# KiCad board vme-wren.kicad_pcb (continued)
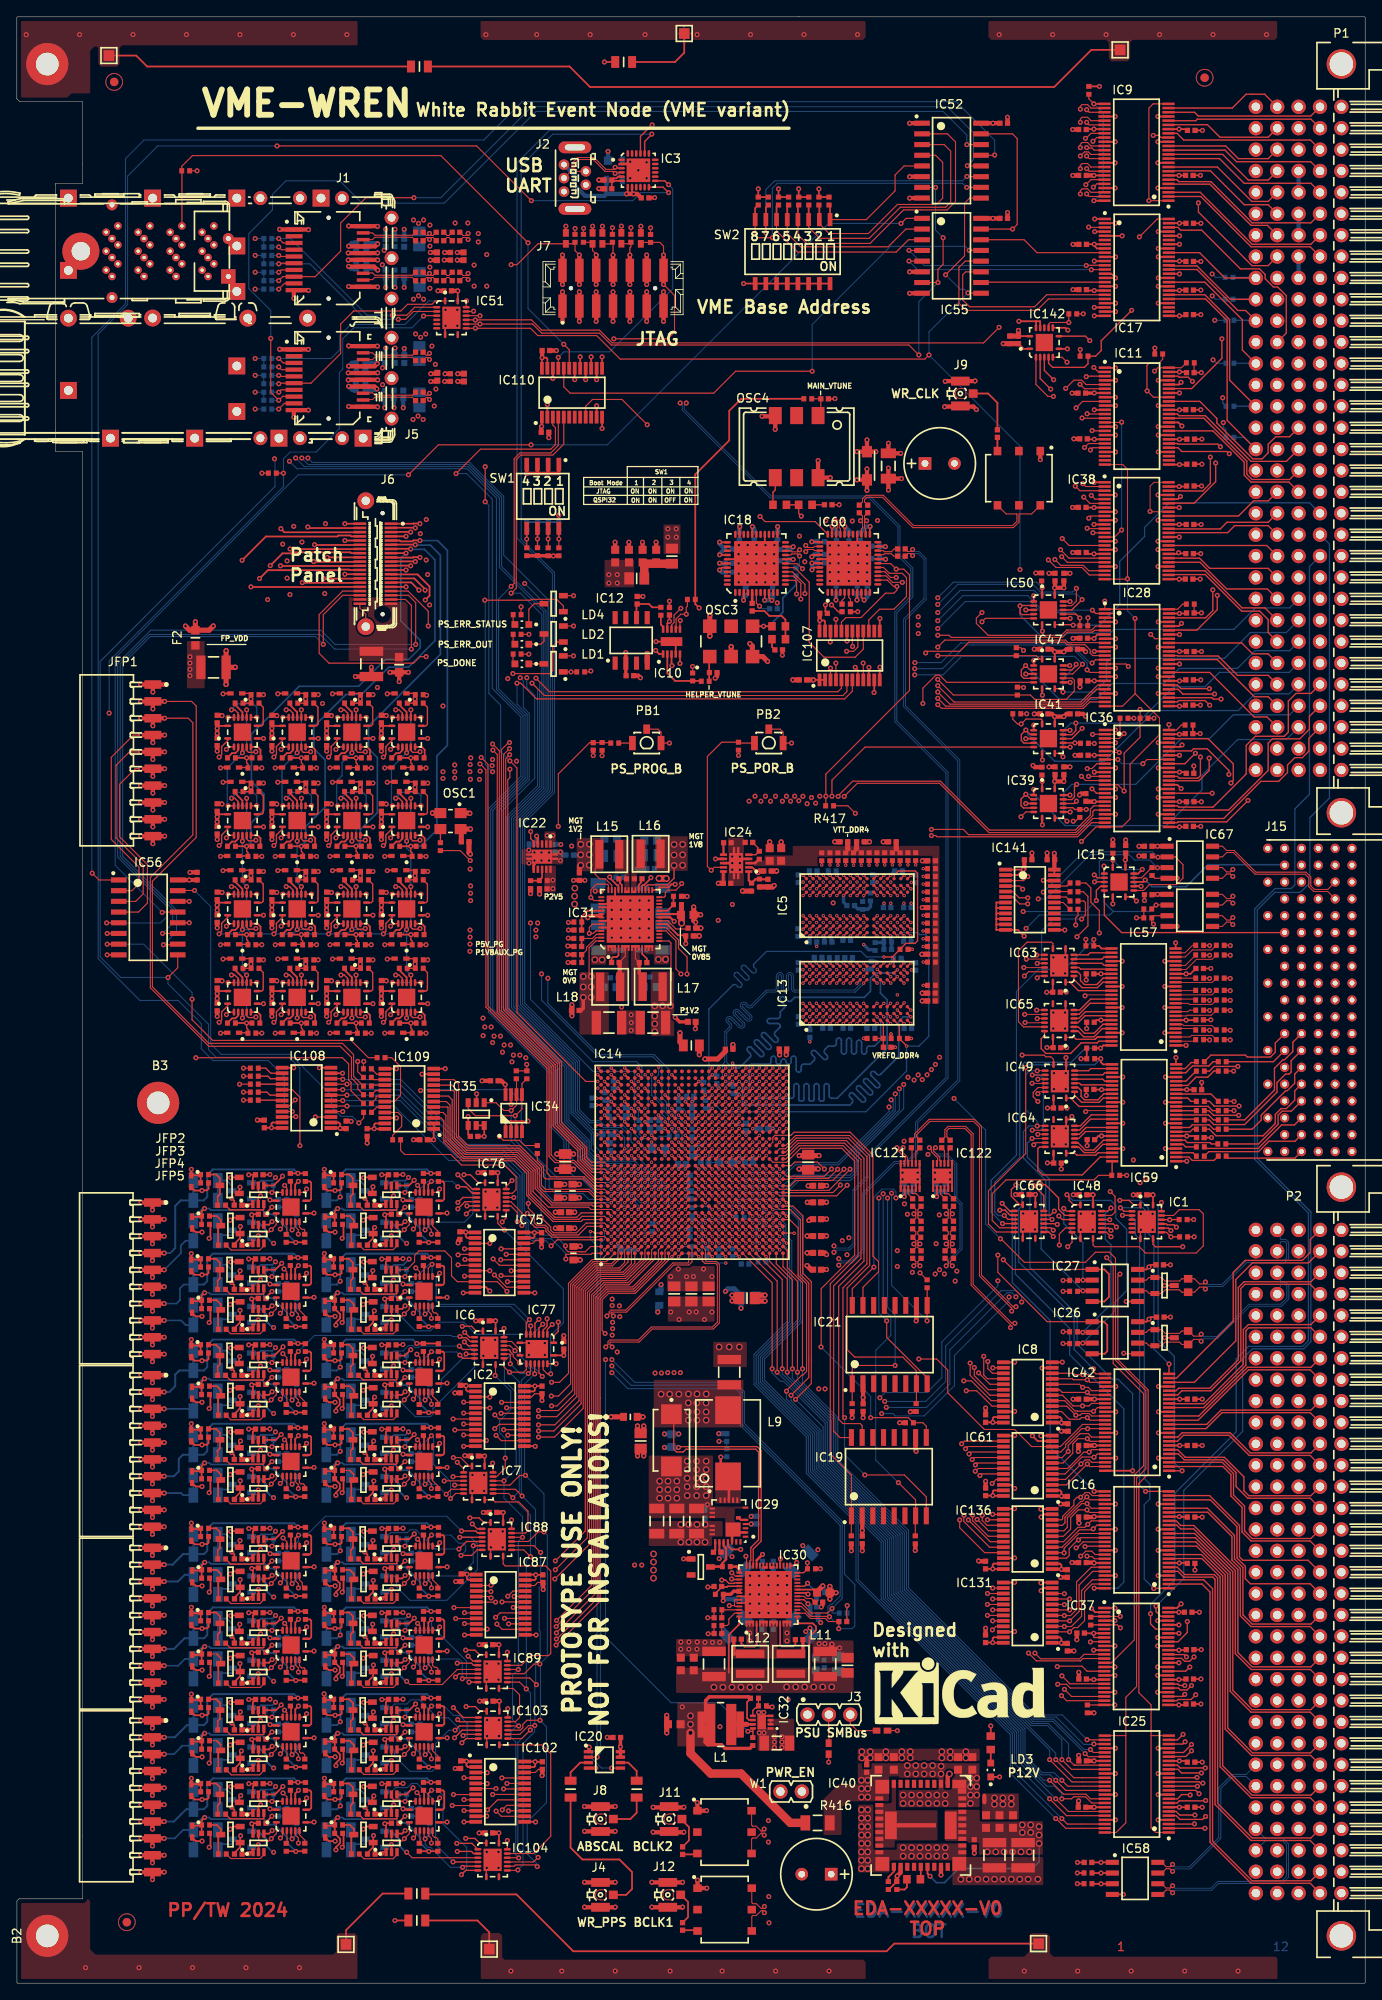
[diagram p0: board, top side]
## Nets (continued)
/WR_CLK.SPI_SCK: IC18.14 IC60.14 IC107.21
/WR_DAC.DIN: IC10.8 IC107.18 R86.1
/WR_DAC.SCLK: IC10.7 IC107.19 R66.1
/WR_DAC.SYNC: IC10.6 IC107.17
/WRFLASH_I2C.SCL: IC14.C9 IC34.6 IC35.1 R226.1
/WRFLASH_I2C.SDA: IC14.D9 IC34.5 IC35.3 R169.1
CHASSIS: B1.1 B2.1 B3.1 R398.1 R400.1 TP2.1 TP5.1
M12V_VME: P1.A31
MGT_0V9: C49.2 C315.1 C316.1 C317.1 C341.2 C344.2 IC14.V4 IC14.Y4 IC31.56 L18.2
MGT_0V85: C19.2 C291.1 IC14.B22 IC14.D22 IC31.23 R214.2
MGT_1V2: C31.2 C160.1 C161.1 C231.1 C340.2 C343.2 IC14.N1 IC14.P4 IC14.T4 IC31.41 L15.2 R222.2
MGT_1V8: C25.2 C30.2 C157.2 C309.1 C310.1 C311.1 C342.2 IC14.A23 IC14.C23 IC14.D25 IC14.E23 IC14.U5 IC14.W5 IC31.22 IC31.31 L16.2
PSADC_AGND: C97.1 C98.1 IC14.P13 IC14.R12 IC14.R13 IC14.T12 IC14.T13 IC14.W20 L2.1
VTT_DDR4-PS: C112.2 C113.2 C127.2 C128.2 C130.2 C131.2 C133.2 C134.2 C146.2 C232.2 IC24.3 R70.2 R71.2 R72.2 R73.2 R74.2 R75.2 R76.2 R77.2 R78.2 R79.2 R80.2 R81.2 R82.2 R83.2 R84.2 R85.2 R91.2 R96.2 R97.2 R105.2 R106.2 R107.2 R108.2 R109.2 R110.2 R134.1
Net-(C15-Pad2): C15.2 C16.2 L13.2 L14.1
Net-(C48-Pad2): C48.2 R190.1
Net-(C59-Pad1): C59.1 R199.2 R200.2
Net-(C99-Pad1): C99.1 R111.2 R112.2
Net-(C120-Pad1): C120.1 IC31.36 IC31.37 L15.1
Net-(C162-Pad2): C162.2 R200.1
Net-(C165-Pad2): C165.2 R202.1
Net-(C247-Pad1): C247.1 J9.1
Net-(C282-Pad1): C282.1 IC30.8 IC30.9 IC30.10 L11.1
Net-(C289-Pad1): C289.1 IC30.5 IC30.6 IC30.7 L12.1
Net-(C298-Pad1): C298.1 IC31.34 IC31.35 L16.1
Net-(C299-Pad1): C299.1 IC31.8 IC31.9 IC31.10 L17.1
Net-(C300-Pad1): C300.1 IC31.5 IC31.6 IC31.7 L18.1
Net-(C353-Pad1): C353.1 R201.2 R202.2
Net-(C478-Pad1): C478.1 J11.1
Net-(C485-Pad1): C485.1 J12.1
Net-(D10-C): D10.3 IC29.21 R253.2
Net-(D11A-COMAC): D11.3 R43.2 R47.1
Net-(D12A-COMAC): D12.3 R137.2 R139.1
Net-(D15A-COMAC): D15.3 R151.2 R153.1
Net-(D16A-COMAC): D16.3 R174.2 R176.1
Net-(D19A-COMAC): D19.3 R270.2 R272.1
Net-(D20A-COMAC): D20.3 R284.2 R286.1
Net-(D23A-COMAC): D23.3 R298.2 R300.1
Net-(D24A-COMAC): D24.3 R312.2 R314.1
Net-(D27A-COMAC): D27.3 R326.2 R328.1
Net-(D28A-COMAC): D28.3 R340.2 R342.1
Net-(D31A-COMAC): D31.3 R354.2 R356.1
Net-(D32A-COMAC): D32.3 R368.2 R370.1
Net-(D35A-COMAC): D35.3 R382.2 R384.1
Net-(D36A-COMAC): D36.3 R413.2 R415.1
Net-(D39A-COMAC): D39.3 R427.2 R429.1
Net-(D40A-COMAC): D40.3 R441.2 R443.1
Net-(D43A-COMAC): D43.3 R42.2 R45.1
Net-(D44A-COMAC): D44.3 R136.2 R138.1
Net-(D47A-COMAC): D47.3 R150.2 R152.1
Net-(D50A-COMAC): D50.3 R173.2 R175.1
Net-(D53A-COMAC): D53.3 R269.2 R271.1
Net-(D54A-COMAC): D54.3 R283.2 R285.1
Net-(D57A-COMAC): D57.3 R297.2 R299.1
Net-(D58A-COMAC): D58.3 R311.2 R313.1
Net-(D61A-COMAC): D61.3 R325.2 R327.1
Net-(D62A-COMAC): D62.3 R339.2 R341.1
Net-(D65A-COMAC): D65.3 R353.2 R355.1
Net-(D66A-COMAC): D66.3 R367.2 R369.1
Net-(D67A-COMAC): D67.3 R381.2 R383.1
Net-(D68A-COMAC): D68.3 R412.2 R414.1
Net-(D71A-COMAC): D71.3 R426.2 R428.1
Net-(D72A-COMAC): D72.3 R440.2 R442.1
Net-(IC1-QH'): IC1.9 IC66.14
Net-(IC1-SER): IC1.14 IC48.9
Net-(IC3-VDD): C52.1 C53.1 IC3.5 IC3.6
Net-(IC6-QH'): IC6.9 IC7.14
Net-(IC10-VOUTA): IC10.1 R58.1 R66.2
Net-(IC10-VOUTB): IC10.2 R57.1 R86.2
Net-(IC10-VREF): IC10.10 R94.2
Net-(IC12-OUT): C78.2 IC12.6 R94.1
Net-(IC14E-IO_T0U_N12_VRP_64): IC14.AD6 R22.2
Net-(IC14F-IO_T0U_N12_VRP_65): IC14.W9 R20.2
Net-(IC14G-IO_T0U_N12_VRP_66): IC14.G4 R21.2
Net-(IC14L-PS_MGTRREF_505): IC14.F22 R11.2
Net-(IC14M-PS_DDR_ZQ): IC14.U24 R1.2
Net-(IC14O-MGTRREF_R): IC14.N2 R222.1
Net-(IC14P-PUDC_B): IC14.U7 R63.1
Net-(IC18-XA): C353.2 IC18.5
Net-(IC18-XB): C66.2 IC18.6
Net-(IC20A-1Y): IC20.6 R38.1
Net-(IC20B-2Y): IC20.3 R39.1
Net-(IC22-FB): IC22.8 R62.1 R64.2
Net-(IC23-1Y): IC23.3 R28.1
Net-(IC23-2Y): IC23.6 R29.1
Net-(IC23-3Y): IC23.8 R32.1
Net-(IC23-4Y): IC23.11 R33.1
Net-(IC24-REFIN): C136.2 IC24.1 R125.1 R127.2
Net-(IC24-REFOUT): C140.2 IC24.6
Net-(IC24-VOSNS): C126.2 IC24.5 R134.2
Net-(IC29-BOOT): C270.2 IC29.20
Net-(IC29-GL-Pad27): IC29.5 IC29.27
Net-(IC29-PHASE): C270.1 IC29.19
Net-(IC29-SW-Pad10): IC29.8 IC29.9 IC29.10 IC29.11 IC29.12 L9.1 R37.1
Net-(IC30-1V8): C276.1 IC30.21
Net-(IC30-ADDR_PROT): C293.2 IC30.55 R208.2
Net-(IC30-BOOT_C): C282.2 IC30.11
Net-(IC30-BOOT_D): C289.2 IC30.4
Net-(IC30-EN_A): IC30.28 IC30.42 IC30.51 IC30.53 R212.2 W1.1
Net-(IC30-FB__L): IC30.24 R206.1 R207.1
Net-(IC30-ISEN_A+): C271.2 IC30.46 R37.2
Net-(IC30-MTP): C294.2 IC30.54 R209.2
Net-(IC30-PWM_A): IC30.43 R253.1
Net-(IC30-VDRV): C286.1 IC30.47 R205.2
Net-(IC31-1V8): C290.1 IC31.21
Net-(IC31-ADDR_PROT): C292.2 IC31.55 R216.2
Net-(IC31-BOOT_A): C120.2 IC31.38
Net-(IC31-BOOT_B): C298.2 IC31.33
Net-(IC31-BOOT_C): C299.2 IC31.11
Net-(IC31-BOOT_D): C300.2 IC31.4
Net-(IC31-FB__L): IC31.24 R214.1 R215.1
Net-(IC31-MTP): C295.2 IC31.54 R217.2
Net-(IC31-VDRV): C288.1 IC31.47 R213.2
Net-(IC32-FB): IC32.5 R210.2 R211.2
Net-(IC32-SW): IC32.7 L1.1
Net-(IC33-A): IC33.3 R47.2
Net-(IC40-PH-Pad10): IC40.10 IC40.13 IC40.14 IC40.15 IC40.16 IC40.17 IC40.18 IC40.19 IC40.42
Net-(IC40-RT/CLK): IC40.22 R100.2
Net-(IC40-VADJ): IC40.26 R181.2
Net-(IC43-A): IC43.3 R45.2
Net-(IC44-1Y): IC44.3 R50.1
Net-(IC44-2Y): IC44.6 R123.1
Net-(IC44-3Y): IC44.8 R129.1
Net-(IC44-4Y): IC44.11 R130.1
Net-(IC45-A): IC45.3 R139.2
Net-(IC46-A): IC46.3 R138.2
Net-(IC48-SER): IC48.14 R456.2
Net-(IC51-SER): IC51.14 R463.2
Net-(IC52-QH): IC52.13 IC56.1
Net-(IC53-1Y): IC53.3 R142.1
Net-(IC53-2Y): IC53.6 R143.1
Net-(IC53-3Y): IC53.8 R144.1
Net-(IC53-4Y): IC53.11 R145.1
Net-(IC54-A): IC54.3 R153.2
Net-(IC55-SER): IC55.1 IC56.13
Net-(IC59-1B1): IC59.2 R241.1
Net-(IC59-1B2): IC59.3 R242.1
Net-(IC59-1B3): IC59.5 R243.1
Net-(IC59-1B4): IC59.6 R244.1
Net-(IC59-1B5): IC59.8 R245.1
Net-(IC59-1B6): IC59.9 R246.1
Net-(IC59-1B7): IC59.11 R247.1
Net-(IC59-1B8): IC59.12 R248.1
Net-(IC59-2B1): IC59.13 R116.1
Net-(IC59-2B2): IC59.14 R249.1
Net-(IC59-2B3): IC59.16 R250.1
Net-(IC59-2B4): IC59.17 R252.1
Net-(IC59-2B5): IC59.19 R256.1
Net-(IC59-2B6): IC59.20 R257.1
Net-(IC59-2B7): IC59.22 R258.1
Net-(IC59-2B8): IC59.23 R259.1
Net-(IC60-XA): C59.2 IC60.5
Net-(IC60-XB): C65.2 IC60.6
Net-(IC62-1Y): IC62.3 R93.1
Net-(IC62-2Y): IC62.6 R164.1
Net-(IC62-3Y): IC62.8 R281.1
Net-(IC62-4Y): IC62.11 R295.1
Net-(IC68-A): IC68.3 R152.2
Net-(IC69-1Y): IC69.3 R156.1
Net-(IC69-2Y): IC69.6 R157.1
Net-(IC69-3Y): IC69.8 R158.1
Net-(IC69-4Y): IC69.11 R159.1
Net-(IC70-A): IC70.3 R176.2
Net-(IC71-A): IC71.3 R175.2
Net-(IC72-1Y): IC72.3 R179.1
Net-(IC72-2Y): IC72.6 R180.1
Net-(IC72-3Y): IC72.8 R182.1
Net-(IC72-4Y): IC72.11 R183.1
Net-(IC73-A): IC73.3 R272.2
Net-(IC74-A): IC74.3 R271.2
Net-(IC76-QH'): IC76.9 IC77.14
Net-(IC78-1Y): IC78.3 R275.1
Net-(IC78-2Y): IC78.6 R276.1
Net-(IC78-3Y): IC78.8 R277.1
Net-(IC78-4Y): IC78.11 R278.1
Net-(IC79-A): IC79.3 R286.2
Net-(IC80-A): IC80.3 R285.2
Net-(IC81-1Y): IC81.3 R289.1
Net-(IC81-2Y): IC81.6 R290.1
Net-(IC81-3Y): IC81.8 R291.1
Net-(IC81-4Y): IC81.11 R292.1
Net-(IC82-A): IC82.3 R300.2
Net-(IC83-A): IC83.3 R299.2
Net-(IC84-1Y): IC84.3 R303.1
Net-(IC84-2Y): IC84.6 R304.1
Net-(IC84-3Y): IC84.8 R305.1
Net-(IC84-4Y): IC84.11 R306.1
Net-(IC85-A): IC85.3 R314.2
Net-(IC86-A): IC86.3 R313.2
Net-(IC88-QH'): IC88.9 IC89.14
Net-(IC90-1Y): IC90.3 R317.1
Net-(IC90-2Y): IC90.6 R318.1
Net-(IC90-3Y): IC90.8 R319.1
Net-(IC90-4Y): IC90.11 R320.1
Net-(IC91-A): IC91.3 R328.2
Net-(IC92-A): IC92.3 R327.2
Net-(IC93-1Y): IC93.3 R331.1
Net-(IC93-2Y): IC93.6 R332.1
Net-(IC93-3Y): IC93.8 R333.1
Net-(IC93-4Y): IC93.11 R334.1
Net-(IC94-A): IC94.3 R342.2
Net-(IC95-A): IC95.3 R341.2
Net-(IC96-1Y): IC96.3 R345.1
Net-(IC96-2Y): IC96.6 R346.1
Net-(IC96-3Y): IC96.8 R347.1
Net-(IC96-4Y): IC96.11 R348.1
Net-(IC97-A): IC97.3 R356.2
Net-(IC98-A): IC98.3 R355.2
Net-(IC99-1Y): IC99.3 R359.1
Net-(IC99-2Y): IC99.6 R360.1
Net-(IC99-3Y): IC99.8 R361.1
Net-(IC99-4Y): IC99.11 R362.1
Net-(IC100-A): IC100.3 R370.2
Net-(IC101-A): IC101.3 R369.2
Net-(IC103-QH'): IC103.9 IC104.14
Net-(IC105-1Y): IC105.3 R373.1
Net-(IC105-2Y): IC105.6 R374.1
Net-(IC105-3Y): IC105.8 R375.1
Net-(IC105-4Y): IC105.11 R376.1
Net-(IC106-A): IC106.3 R384.2
Net-(IC109-B5): IC109.17 R451.1
Net-(IC109-B6): IC109.16 R453.1
Net-(IC109-B7): IC109.15 R187.1
Net-(IC109-B8): IC109.14 R188.1
Net-(IC111-A): IC111.3 R383.2
Net-(IC112-1Y): IC112.3 R404.1
Net-(IC112-2Y): IC112.6 R405.1
Net-(IC112-3Y): IC112.8 R406.1
Net-(IC112-4Y): IC112.11 R407.1
Net-(IC113-A): IC113.3 R415.2
Net-(IC114-A): IC114.3 R414.2
Net-(IC115-1Y): IC115.3 R418.1
Net-(IC115-2Y): IC115.6 R419.1
Net-(IC115-3Y): IC115.8 R420.1
Net-(IC115-4Y): IC115.11 R421.1
Net-(IC116-A): IC116.3 R429.2
Net-(IC117-A): IC117.3 R428.2
Net-(IC118-1Y): IC118.3 R432.1
Net-(IC118-2Y): IC118.6 R433.1
Net-(IC118-3Y): IC118.8 R434.1
Net-(IC118-4Y): IC118.11 R435.1
Net-(IC119-A): IC119.3 R443.2
Net-(IC120-A): IC120.3 R442.2
Net-(IC121-IN+): C477.1 IC121.3
Net-(IC121-IN-): C476.1 IC121.4
Net-(IC121-OUT2+): C484.2 IC121.8
Net-(IC121-OUT2-): C482.2 IC121.9
Net-(IC122-IN+): C468.1 IC122.3
Net-(IC122-IN-): C469.1 IC122.4
Net-(IC122-OUT2+): C473.2 IC122.8
Net-(IC122-OUT2-): C472.2 IC122.9
Net-(IC123-1B1): IC123.2 R233.1
Net-(IC123-1B2): IC123.3 R234.1
Net-(IC123-1B3): IC123.5 R235.1
Net-(IC123-1B4): IC123.6 R236.1
Net-(IC123-1B5): IC123.8 R237.1
Net-(IC123-1B6): IC123.9 R238.1
Net-(IC123-1B7): IC123.11 R239.1
Net-(IC123-1B8): IC123.12 R240.1
Net-(IC123-2B1): IC123.13 R221.1
Net-(IC123-2B2): IC123.14 R224.1
Net-(IC123-2B3): IC123.16 R225.1
Net-(IC123-2B4): IC123.17 R228.1
Net-(IC123-2B5): IC123.19 R229.1
Net-(IC123-2B6): IC123.20 R230.1
Net-(IC123-2B7): IC123.22 R231.1
Net-(IC123-2B8): IC123.23 R232.1
Net-(IC124-1Y): IC124.3 R337.1
Net-(IC124-2Y): IC124.6 R351.1
Net-(IC124-3Y): IC124.8 R365.1
Net-(IC124-4Y): IC124.11 R379.1
Net-(IC125-1Y): IC125.3 R438.1
Net-(IC125-2Y): IC125.6 R448.1
Net-(IC125-3Y): IC125.8 R508.1
Net-(IC125-4Y): IC125.11 R509.1
Net-(IC126-1Y): IC126.3 R512.1
Net-(IC126-2Y): IC126.6 R513.1
Net-(IC126-3Y): IC126.8 R514.1
Net-(IC126-4Y): IC126.11 R515.1
Net-(IC127-1Y): IC127.3 R218.1
Net-(IC127-2Y): IC127.6 R219.1
Net-(IC127-3Y): IC127.8 R220.1
Net-(IC127-4Y): IC127.11 R261.1
Net-(IC128-1Y): IC128.3 R518.1
Net-(IC128-2Y): IC128.6 R519.1
Net-(IC128-3Y): IC128.8 R520.1
Net-(IC128-4Y): IC128.11 R521.1
Net-(IC129-1Y): IC129.3 R524.1
Net-(IC129-2Y): IC129.6 R525.1
Net-(IC129-3Y): IC129.8 R526.1
Net-(IC129-4Y): IC129.11 R527.1
Net-(IC130-1Y): IC130.3 R530.1
Net-(IC130-2Y): IC130.6 R531.1
Net-(IC130-3Y): IC130.8 R532.1
Net-(IC130-4Y): IC130.11 R533.1
Net-(IC132-1Y): IC132.3 R536.1
Net-(IC132-2Y): IC132.6 R537.1
Net-(IC132-3Y): IC132.8 R538.1
Net-(IC132-4Y): IC132.11 R539.1
Net-(IC133-1Y): IC133.3 R542.1
Net-(IC133-2Y): IC133.6 R543.1
Net-(IC133-3Y): IC133.8 R544.1
Net-(IC133-4Y): IC133.11 R545.1
Net-(IC134-1Y): IC134.3 R548.1
Net-(IC134-2Y): IC134.6 R549.1
Net-(IC134-3Y): IC134.8 R550.1
Net-(IC134-4Y): IC134.11 R551.1
Net-(IC135-1Y): IC135.3 R554.1
Net-(IC135-2Y): IC135.6 R555.1
Net-(IC135-3Y): IC135.8 R556.1
Net-(IC135-4Y): IC135.11 R557.1
Net-(IC137-1Y): IC137.3 R560.1
Net-(IC137-2Y): IC137.6 R561.1
Net-(IC137-3Y): IC137.8 R562.1
Net-(IC137-4Y): IC137.11 R563.1
Net-(IC138-1Y): IC138.3 R566.1
Net-(IC138-2Y): IC138.6 R567.1
Net-(IC138-3Y): IC138.8 R568.1
Net-(IC138-4Y): IC138.11 R569.1
Net-(IC139-1Y): IC139.3 R572.1
Net-(IC139-2Y): IC139.6 R573.1
Net-(IC139-3Y): IC139.8 R574.1
Net-(IC139-4Y): IC139.11 R575.1
Net-(IC140-1Y): IC140.3 R578.1
Net-(IC140-2Y): IC140.6 R579.1
Net-(IC140-3Y): IC140.8 R580.1
Net-(IC140-4Y): IC140.11 R581.1
Net-(J1-RS0): J1.7 R393.1
Net-(J1-RS1): J1.9 R395.1
Net-(J4-Pad1): J4.1 R39.2
Net-(J5-RS0): J5.7 R18.1
Net-(J5-RS1): J5.9 R17.1
Net-(J8-Pad1): J8.1 R38.2
Net-(LD1-A): LD1.2 R2.1
Net-(LD1-C): LD1.1 T2.3
Net-(LD2-A): LD2.2 R3.1
Net-(LD2-C): LD2.1 T3.3
Net-(LD3-A): LD3.2 R251.2
Net-(LD4-A): LD4.2 R4.1
Net-(LD4-C): LD4.1 T4.3
Net-(OSC1-OUT): OSC1.3 R27.1
Net-(OSC4-OUT): OSC4.4 R199.1
Net-(OSC4-VDD): C116.2 C117.1 L7.2 OSC4.6
Net-(PB1-Pad2): PB1.2 R191.2
Net-(R165-Pad2): R165.2 R181.1
Net-(T5-D): R476.1 R477.1 T5.3
Net-(T7-D): R478.1 R479.1 T7.3
Net-(T9-D): R480.1 R481.1 T9.3
Net-(T11-D): R482.1 R483.1 T11.3
Net-(T13-D): R484.1 R485.1 T13.3
Net-(T15-D): R486.1 R487.1 T15.3
Net-(T19-D): R488.1 R489.1 T19.3
Net-(T21-D): R490.1 R491.1 T21.3
Net-(T23-D): R492.1 R493.1 T23.3
Net-(T25-D): R494.1 R495.1 T25.3
Net-(T27-D): R496.1 R497.1 T27.3
Net-(T29-D): R498.1 R499.1 T29.3
Net-(T31-D): R500.1 R501.1 T31.3
Net-(T35-D): R502.1 R503.1 T35.3
Net-(T37-D): R504.1 R505.1 T37.3
Net-(T39-D): R506.1 R507.1 T39.3
Net-(T40-D): R41.1 R454.1 T40.3
Net-(T41-D): R135.1 R457.1 T41.3
Net-(T42-D): R149.1 R459.1 T42.3
Net-(T43-D): R172.1 R461.1 T43.3
Net-(T44-D): R268.1 R464.1 T44.3
Net-(T45-D): R282.1 R465.1 T45.3
Net-(T46-D): R296.1 R466.1 T46.3
Net-(T47-D): R310.1 R467.1 T47.3
Net-(T48-D): R324.1 R468.1 T48.3
Net-(T49-D): R338.1 R469.1 T49.3
Net-(T50-D): R352.1 R470.1 T50.3
Net-(T51-D): R366.1 R471.1 T51.3
Net-(T52-D): R380.1 R472.1 T52.3
Net-(T53-D): R411.1 R473.1 T53.3
Net-(T54-D): R425.1 R474.1 T54.3
Net-(T55-D): R439.1 R475.1 T55.3
Net-(TR1-PDOT): C478.2 TR1.3
Net-(TR2-PDOT): C247.2 TR2.3
Net-(TR3-PDOT): C485.2 TR3.3

Pads without a net: D10 2; FTG1 FTG2; FTG2 FTG2; FTG3 FTG2; FTG4 FTG2; FTG5 FTG2; FTG6 FTG2; IC1 4 5 6 7; IC3 1 9 10 11 14 15 16 17 18 19 22 23 24; IC5 T7; IC9 6 26 27 43; IC11 22 23 26 27; IC12 1 3 5 7 8; IC13 T7; IC14 A16 A17 A18 A19 A21 A22 A25 A26 AA7 AB18 AB19 AB20 AB21 AC18 AC19 AC21 AC22 AD19 AE18 AE19 AF16 AF18 AG18 AH18 B16 B18 B19 B20 B23 B24 B27 B28 C16 C17 C18 C19 C21 C22 C25 C26 D17 D19 D20 D23 D24 D27 D28 E17 E18 E19 E21 E22 E25 E26 F17 F18 F20 F23 F24 F27 F28 G9 G16 G19 G20 G21 G25 G26 H17 H18 H19 H22 H23 H24 H26 H27 H28 J15 J16 J17 J19 J20 J21 J22 J24 J25 J26 J27 J28 K15 K17 K18 K19 K20 K22 K23 K24 K25 K27 K28 L15 L16 L17 L18 L21 L22 L23 L25 L26 L27 L28 M18 M19 M23 M24 M25 M26 M28 N18 N22 N23 N24 N26 N27 N28 P22 P24 P25 P26 P27 P28 R9 R22 R23 R24 R25 R27 R28 T22 T23 T25 T26 T27 T28 U26 V1 V2 V22 V26 V27 Y1 Y2 Y24 Y25; IC15 15; IC18 1 2 4 7 10 11 12 22 24 25 27 28 30 31 33 35 36 41 42 43 44; IC19 3 4 5 6 11 12 13 14; IC21 3 4 5 6 11 12 13 14; IC22 3 7; IC23 15; IC29 1 3 24 25; IC30 17 25 26 27 30 31 33 34 35 36 37 38; IC31 16 17 25 26 27 30 43; IC37 6; IC39 15; IC40 4 5 6 7 8 9 24 25 28 30; IC41 15; IC44 15; IC47 15; IC48 5; IC50 15; IC51 9; IC53 15; IC60 1 2 4 7 10 11 12 22 27 28 41 42 43 44; IC62 15; IC64 9; IC65 9; IC66 9; IC69 15; IC72 15; IC78 15; IC81 15; IC84 15; IC90 15; IC93 15; IC96 15; IC99 15; IC105 15; IC107 14; IC110 6 7 8 10; IC112 15; IC115 15; IC118 15; IC124 15; IC125 15; IC126 15; IC127 15; IC128 15; IC129 15; IC130 15; IC132 15; IC133 15; IC134 15; IC135 15; IC137 15; IC138 15; IC139 15; IC140 15; IC141 14 15 16 17; IC142 11 15; J1 2; J2 4; J5 2; J7 12; J13 A3 A4 A5 A6 A7 A8 A9 B1 B2 B3 B6 B7 B8 B9 C2 C3 C4 C5 C6 C7 C8 C9 D1 D2 D3 D6 D7 D8 D9; J15 A1 A2 A3 A4 A5 A6 A7 A8 A9 A10 A11 B9 B10 B11 C1 C2 C3 C4 C5 C6 C7 C8 C9 C10 C11 C12 C13 C14 C15 C16 C17 C18 C19 D1 D2 D3 D4 D5 D6 D7 D8 D9 D10 D11 E9 E10 E11; OSC3 5; OSC4 2 5; P1 D1 D3 D4 D5 D6 D7 D8 D19 D21 D23 D25 D27 D29 D32 Z11 Z13 Z15 Z17 Z19 Z21 Z23 Z25 Z27 Z29 Z31; P2 C5 C6 C7 C8 C9 C10 C11 C12 C13 C14 C15 C16 C17 C18 C19 C20 C21 C22 C23 C24 C25 C26 C27 C28 C29 C30 C31 C32 D1 D2 D3 D4 D5 D6 D7 D8 D9 D10 D11 D12 D13 D14 D15 D16 D17 D18 D19 D20 D21 D22 D23 D24 D32 Z1 Z3 Z5 Z7 Z9 Z11 Z13 Z15 Z17 Z19 Z21 Z23 Z25 Z27 Z29 Z31; TR1 2 5; TR2 2 5; TR3 2 5

## Via types
v1: diameter 0.4, hole 0.2, Top Layer to Bottom Layer, 853 vias
v2: diameter 0.6, hole 0.3, Top Layer to Bottom Layer, 3243 vias
v3: diameter 0.59, hole 0.3, Top Layer to Bottom Layer, 66 vias
v4: diameter 0.8, hole 0.5, Top Layer to Bottom Layer, 212 vias

## Routing (per net, layer and track width the routed paths; a pad name or vN(x,y) marks a point on that pad's centre or on a via; arc(x,y) is an arc through that point)
5VREG: length 57.4
  Top Layer w0.18: v2(95.43,49.2) R212.1
  Top Layer w0.2: IC30.29 92.23,49.57 v2(92.61,49.95) ; R213.1 66.1,125.94 v2(65.5,125.94) ; IC29.4 86.54,54.51 87.21,54.51 v2(87.21,54.52) ; v2(78.18,130.47) 77.76,130.47 77.39,130.1 76.33,130.1 76,129.78 IC31.29 ; IC32.6 86.96,31.24 86.72,31.48 86.72,33.37 87.1,33.75
  Top Layer w0.203: 69.41,126.74 IC31.49 ; 69.41,126.74 69.41,126.73 ; 69.41,126.74 IC31.48
  Top Layer w0.3: 61.88,135.24 61.87,135.24 61.87,135.98 61.73,136.12 v3(61.73,136.2)
  Top Layer w0.4: L1.2 81.8,31.25 81.8,33.12 ; L1.2 82.34,32.58 81.8,33.12 ; L1.2 81.73,30.1 81.73,28.63 82.05,28.31 83.68,28.31 84.12,27.87 87.06,27.87 R120.1 ; 81.8,33.12 81.8,33.55 82.24,33.99 86.86,33.99 87.1,33.75 ; 85.81,46.53 85.14,46.53 84.77,46.16 R205.1 ; v2(67.8,126.5) 68.03,126.73 69.41,126.73 ; 83.87,45.43 83.87,46.16
  Top Layer w1: R416.1 91.86,19.03 86,24.89 82.4,24.89 80,27.29 v4(80,29.72)
  Bottom Layer w0.5: C287.1 84.05,45.58 v2(83.89,45.41) ; C220.2 v3(61.73,136.2)
  Bottom Layer w0.6: v2(87.21,54.52) 87.22,54.53 C275.1
  vias: v2(79.02,32.8) v4(66.27,130.01) v4(66.24,129.06) v4(66.24,128.12) v4(75.61,50.96) v4(75.61,50) v4(75.61,49.04) v4(75.61,48.09) v4(80,31.75) v4(80,30.73)
/power-supply-1/P1V8AUX_PG: length 166
  Top Layer w0.1: v2(68.17,128.9) 68.17,128.78
  Top Layer w0.125: IC31.28 76.87,128.94 77.01,129.08 77.01,129.5 77.29,129.78 78.26,129.78 78.95,130.47 v2(78.95,130.56) ; v2(97.61,42.09) 97.62,42.09 R227.2 96.38,42.94 96.02,43.3 94.25,43.3 93.62,43.93 IC30.16 ; IC31.44 68.53,128.54 v2(68.17,128.9) 68.17,129.83 68.81,130.47 70.13,130.47 70.25,130.35 IC31.42 ; IC31.53 68.75,124.94 68.45,124.64 v2(67.99,124.64) 67.99,124.94 ; 67.99,124.94 67.99,124.94 ; 67.99,124.94 67.99,125.36 68.37,125.74 IC31.51
  L3 w0.125: v2(68.17,128.9) 66.26,126.99 63.31,126.99 62.59,126.26 62.59,123.98 61.13,122.52 v2(53.81,122.52)
  L5 w0.125: v2(78.95,130.56) 76.92,132.6 69.84,132.6 68.17,130.93 v2(68.17,128.9) 68.17,127.57 68.47,127.27 68.47,125.75 67.99,125.26 v2(67.99,124.64) ; v2(70.66,74.04) 69.97,74.73 69.12,74.73 68.66,75.19 68.66,80.05 63.94,84.77 63.94,88.66 63.05,89.55 63.05,97.51 55.59,104.97 55.59,106 52.46,109.13 52.46,121.17 v2(53.81,122.52)
  Bottom Layer w0.125: v2(70.66,74.04) 73.36,71.34 85.31,71.34 86.41,70.24 86.41,66.44 98.3,54.54 98.3,48.54 99.51,47.34 99.51,42.39 99.21,42.09 v2(97.61,42.09)
/power-supply-3/5VPG: length 138.5
  Top Layer w0.15: IC32.8 87.42,30.23 87.42,29.9 ; IC22.5 61.38,135.53 61.02,135.88 v3(61.02,136.73) ; 87.42,29.9 87.42,29.18 R120.2 ; 87.42,29.9 v3(86.81,29.9)
  L3 w0.125: v2(53.82,123.37) 61.62,123.37 62.34,124.08 62.34,126.95 59.8,129.5 59.8,135.5 v3(61.02,136.73)
  L5 w0.125: v2(69.91,74.04) 69.36,74.04 68.41,74.99 68.41,79.94 62.8,85.56 62.8,97.41 55.34,104.87 55.34,105.89 52.21,109.02 52.21,121.76 v2(53.82,123.37)
  Bottom Layer w0.125: v3(86.81,29.9) 83.41,33.3 77.7,33.3 69.91,41.09 v2(69.91,74.04)
GND: length 1442.8
  Top Layer w0.115: IC26.5 131.51,74.73
  Top Layer w0.12: IC30.44 85.31,48.33 v2(84.91,48.72)
  Top Layer w0.125: C71.2 139.81,192.37 R114.2 ; D2.2 65.2,208.6 v2(65.2,208.6) ; D5.2 69.54,208.6 v2(69.54,208.6) ; PB2.3 90.65,148.89 91,148.54 PB2.1 v2(92,147.24) ; D6.2 71.79,208.61 v2(71.8,208.62) ; D1.2 74.11,208.6 v2(74.11,208.6) ; v2(33.13,102.89) 33.08,102.84 IC108.22 ; C407.2 61.63,88.21 61.26,87.84 IC75.22 ; v2(104.57,29.98) 104.56,29.99 D8.2 ; v2(66.1,157.59) 66.1,157.59 T2.2 ; v2(66.11,164.74) 66.11,164.74 T4.2 ; C236.1 139.81,163.72 R98.2 ; C302.1 v2(68.45,145.76) ; v2(77.5,147.24) PB1.1 76.5,148.54 76.15,148.89 PB1.3 ; 53.2,62.59 v2(53.2,62.64) ; C457.2 61.95,25.39 61.57,25.01 IC102.22 ; R209.1 82.79,43.41 C294.1 82.81,43.39 v2(82.05,43.39) ; IC2.22 61.14,69.61 61.51,69.98 C20.2 ; v2(99.58,138.9) 98.69,139.79 R417.1 ; 41.44,161.06 41.44,162.56 40.74,163.26 J6.40 ; R446.1 v2(21.4,215.19) ; C429.2 61.86,47.58 61.49,47.21 60.36,47.21 ; v2(82.1,41.49) 82.79,41.49 C293.1 82.79,41.53 R208.1 ; R124.1 R122.1 v2(132.96,126.49) ; v2(66.11,161.14) 66.11,161.14 T3.2 ; IC11.8 129.21,188.29 ; IC67.4 135.15,131.18 R266.2 ; D7.2 v2(96.41,26.24) ; D4.2 68.37,208.6 v2(68.37,208.61)
  Top Layer w0.15: R523.1 v2(35.79,142.49) ; v1(94.98,131.54) IC5.C9 ; IC1.8 133.44,89.65 IC1.17 ; IC13.M9 v1(102.96,121.14) ; v1(96.58,124.34) IC5.E1 ; v1(96.56,116.34) IC13.E3 ; v1(98.18,129.94) IC5.G8 ; v1(100.56,121.14) IC13.K9 ; v2(48.66,152.91) 48.59,152.99 R577.1 ; IC5.N9 v1(103.78,131.54) ; IC76.17 55.61,92.29 IC76.8 ; v1(95.76,119.54) IC13.D8 ; v1(94.18,125.14) IC5.B2 ; IC103.17 55.8,29.54 IC103.8 ; v1(100.58,124.34) IC5.K1 ; v1(94.16,114.74) IC13.B2 ; v1(97.36,113.94) IC13.F1 ; v1(96.56,121.14) IC13.E9 ; R517.1 v2(29.29,121.49) ; R121.1 124.26,82.14 v2(124.25,82.14) ; v1(95.78,129.94) IC5.D8 ; v2(78.58,63.61) 78.68,63.7 87.92,63.7 88.39,63.23 88.39,52.48 87.45,51.54 IC30.40 ; IC13.N1 v1(103.76,113.94) ; R68.1 124.26,75.94 v2(124.25,75.94) ; R541.1 v2(42.29,131.99) ; R565.1 v2(29.29,152.99) ; v1(98.96,113.94) IC13.H1 ; IC88.8 56.25,51.94 IC88.17 ; C162.1 v2(97.66,175.54) ; R511.1 v2(35.79,121.49) ; R547.1 v2(48.79,131.99) ; v1(93.38,129.94) IC5.A8 ; v1(96.58,129.94) IC5.E8 ; R529.1 v2(29.29,142.49) ; v1(97.38,124.34) IC5.F1 ; R553.1 v2(29.29,131.99) ; IC77.17 61,76.04 IC77.8 ; R424.1 v2(42.29,121.49) ; R583.1 v2(42.29,152.99) ; v1(93.38,125.14) IC5.A2 ; IC104.17 55.75,13.89 IC104.8 ; R571.1 v2(35.79,152.99) ; v1(96.58,131.54) IC5.E9 ; v1(98.98,131.54) IC5.H9 ; IC13.T1 v1(106.16,113.94) ; v1(96.56,113.94) IC13.E1 ; IC5.M9 v1(102.98,131.54) ; IC89.8 55.75,36.24 IC89.17 ; IC6.17 55.35,74.69 IC6.8 ; v1(98.96,121.14) IC13.H9 ; v1(93.36,119.54) IC13.A8 ; v1(95.76,114.74) IC13.D2 ; R267.1 v2(42.29,142.49) ; IC142.4 122.03,191.48 v2(123.13,190.38) ; v1(100.58,131.54) IC5.K9 ; R323.1 v2(48.79,121.49) ; v1(98.16,119.54) IC13.G8 ; C372.2 v2(127.05,113.34) ; IC5.N1 v1(103.78,124.34) ; IC5.T1 v1(106.18,124.34) ; IC13.N9 v1(103.76,121.14) ; IC7.8 54.05,58.64 IC7.17 ; v1(100.56,113.94) IC13.K1 ; v1(96.56,119.54) IC13.E8 ; R103.2 v2(139.81,88.61) ; v1(96.58,126.74) IC5.E3 ; R559.1 v2(35.79,131.99) ; v1(93.36,114.74) IC13.A2 ; v1(94.96,121.14) IC13.C9 ; v1(95.78,125.14) IC5.D2 ; v1(98.98,124.34) IC5.H1 ; R535.1 v2(48.79,142.49)